# Altium PCB rt10.PcbDoc (part 1 of 3) (continued)
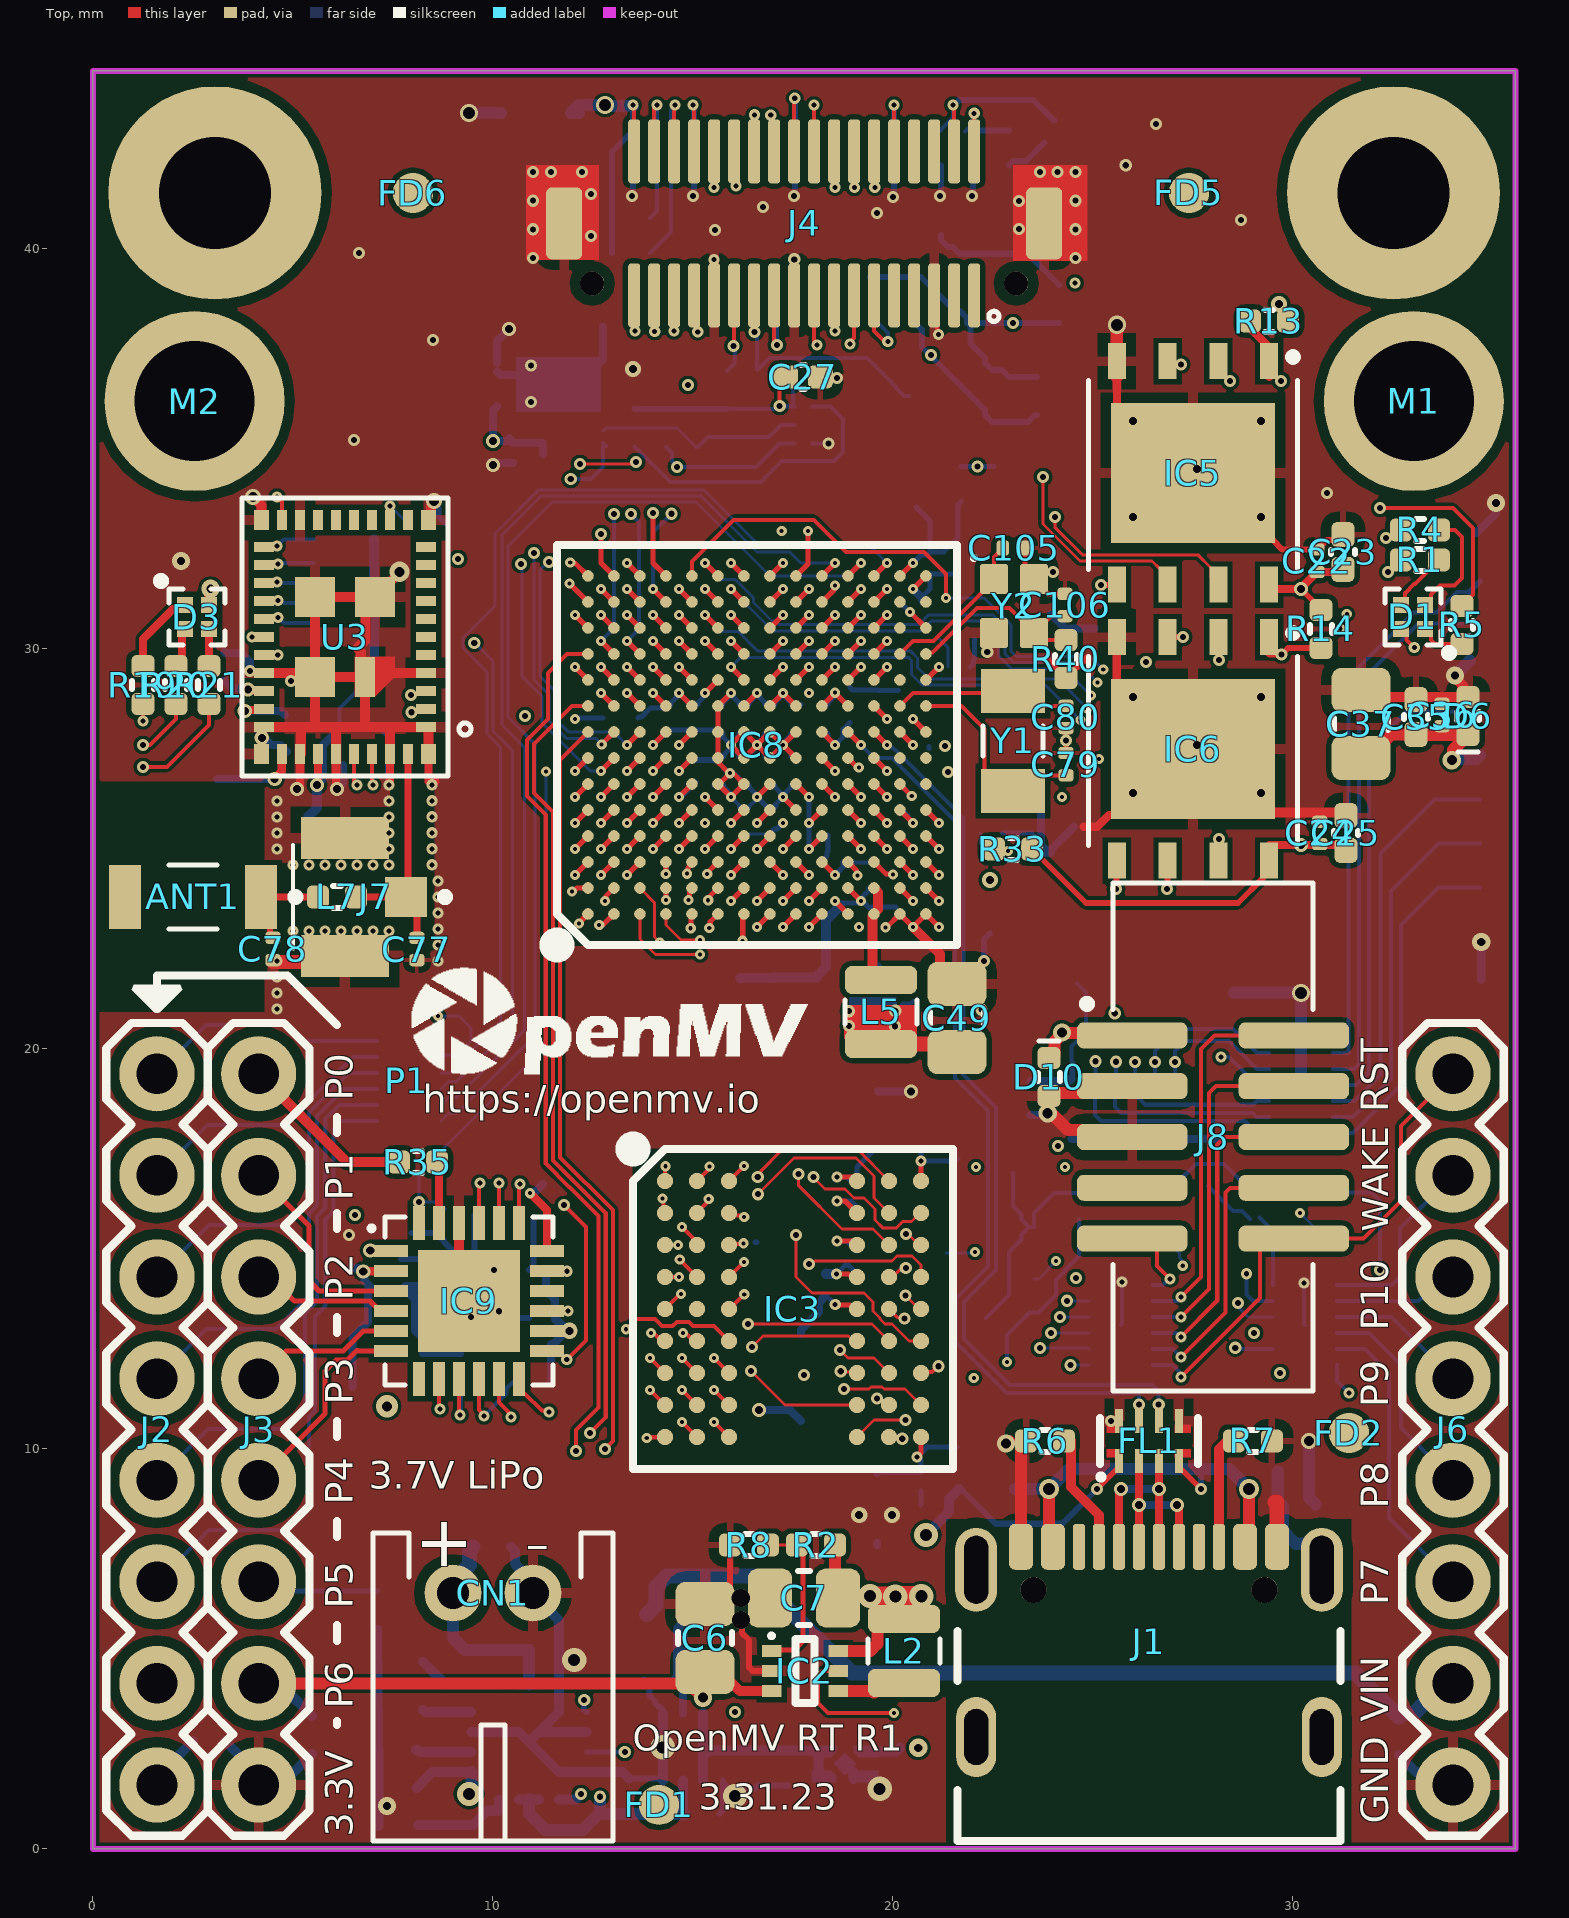
[diagram p0: Top view]
## Components (designator, comment, footprint, x,y, rotation, side; value= is the part's Value field where it differs from the comment) (continued)
C98 "0.22uF" C0201 15.625,28.25 r90 bottom
C99 "0.22uF" C0201 15.534,25.875 r90 bottom
C100 "0.22uF" C0201 17.575,26.95 r270 bottom
C101 "4.7uF" 0402-CAP 20.9,28 r90 bottom
C102 "0.22uF" C0201 20.247,28.071 r270 bottom
C103 "0.22uF" C0201 16.275,28.25 r90 bottom
C104 "4.7uF" 0402-CAP 21.666,30.28 r180 bottom
C105 "4.7pF" C0201 23.025,32.525 r0 top
C106 "4.7pF" C0201 24.3,31.1 r90 top
C107 "0.22uF" C0201 21.65,29.6 r0 bottom
C108 "4.7uF" 0402-CAP 22.525,34.125 r90 bottom
C109 "0.22uF" C0201 20.075,23.275 r270 bottom
C110 "1nF" 0402-CAP 30.129,8.617 r0 bottom
CN1 "S2B-PH-K-S(LF)(SN)" JST-PH-2-THM-RA 10,6.4 r180 top
D1 "UHD1110-FKA-CL1A13R3Q1BBQFMF3" LED_UHD1110-FKA-CL1A13R3Q1BBQFMF3 33,30.8 r180 top
D2 "CPDQT5V0HE-HF" CPDQT5V0HEHF 9.975,7.55 r0 bottom
D3 "UHD1110-FKA-CL1A13R3Q1BBQFMF3" LED_UHD1110-FKA-CL1A13R3Q1BBQFMF3 2.6,30.8 r0 top
D4 "CPDQT5V0HE-HF" CPDQT5V0HEHF 2.875,2.8 r0 bottom
D5 "CPDQT5V0HE-HF" CPDQT5V0HEHF 5.475,2.85 r270 bottom
D6 "CPDQT5V0HE-HF" CPDQT5V0HEHF 34.375,28.325 r90 top
D7 "CPDQT5V0HE-HF" CPDQT5V0HEHF 32.65,2.825 r270 bottom
D8 "CPDQT5V0HE-HF" CPDQT5V0HEHF 7.125,5.975 r270 bottom
D9 "CPDQT5V0HE-HF" CPDQT5V0HEHF 23.425,18.75 r270 bottom
D10 "CPDQT5V0HE-HF" CPDQT5V0HEHF 23.9,19.3 r270 top
FD1 "FIDUCIAL1X2" FIDUCIAL-1X2 14.152,1.102 r0 top
FD2 "FIDUCIAL1X2" FIDUCIAL-1X2 31.4,10.4 r0 top
FD3 "FIDUCIAL1X2" FIDUCIAL-1X2 8,41.4 r180 bottom
FD4 "FIDUCIAL1X2" FIDUCIAL-1X2 31.4,10.4 r180 bottom
FD5 "FIDUCIAL1X2" FIDUCIAL-1X2 27.4,41.4 r0 top
FD6 "FIDUCIAL1X2" FIDUCIAL-1X2 8,41.4 r0 top
FD7 "FIDUCIAL1X2" FIDUCIAL-1X2 27.4,41.4 r180 bottom
FD8 "FIDUCIAL1X2" FIDUCIAL-1X2 13.4,8.4 r180 bottom
FL1 "ECMF02-4CMX8" ECMF024CMX8 26.4,10.2 r0 top
FL2 "EMIF06-1005M12" SON40P150X250X65-13N 7.9,19.2 r180 bottom
FL3 "EMIF06-1005M12" SON40P150X250X65-13N 30.2,18.9 r0 bottom
FL4 "EMIF06-1005M12" SON40P150X250X65-13N 30.3,13.1 r0 bottom
FL5 "EMIF06-1005M12" SON40P150X250X65-13N 25.7,13.1 r0 bottom
IC1 "LM66200DRLR" SOTFL50P160X60-8N 15,2.55 r90 bottom
IC2 "AP61300Z6-7" SOTFL50P162X60-6N 17.8,4.45 r0 top
IC3 "IS42S16160G-6BL" BGA54C80P9X9_800X800X120 17.5,13.5 r0 top
IC4 "ATECC608B-MAHDA-T" SON50P300X200X60-9N 12,36.6 r270 bottom
IC5 "IS25LP064D-JKLE-TR" SON127P500X595X80-9N 27.5,34.4 r270 top
IC6 "IS25LP128F-JKLE-TR" SON127P500X595X80-9N 27.5,27.5 r270 top
IC7 "MXC4005XC" MXC4005XC 17.755,35.6 r180 bottom
IC8 "MIMXRT1052DVL6B" BGA196C65P14X14_1000X1000X143 16.6,27.6 r90 top locked
IC9 "KSZ8081RNDCA-TR" QFN50P400X400X90-25N 9.4,13.7 r0 top
J1 "USB4105-GF-A" GCT_USB4105-GF-A 26.4,2.8 r0 top
J2 "DNP" 1X08 1.6,1.6 r90 top
J3 "DNP" 1X08 4.14,1.6 r90 top
J4 "DF12-36-DS" DF12-36-DS 17.78,40.64 r0 top
J5 "USD-1040310811" 1040310811 29.363,27.155 r270 bottom locked
J6 "DNP" 1X08 34,1.6 r90 top
J7 "DNP" 23370191-NO-3D 6.3,23.8 r90 top
J8 "3221-10-0300-00" CNC_3221-10-0300-00 28,17.8 r270 top
L1 "MFBM1V1608-101-R" 0603-RES 22.4,9 r180 bottom
L2 "MAKK2016T1R0M" INDC2016X100N 20.275,4.95 r90 top
L4 "100" C0402 22.9,42.525 r90 bottom
L5 "MAKK2016T4R7M" INDC2016X100N 19.7,20.925 r90 top
L6 "100" C0402 21.7,34.125 r90 bottom
L7 "3.9NH" 0402 6.1,23.8 r0 top
L8 "100" C0402 7.076,11.551 r0 bottom
L9 "MAKK2016T2R2M" INDC2016X100N 2.825,27.5 r90 bottom
M1 "9774030243R" 9774030243R 33.02,36.195 r0 top
M2 "9774030243R" 9774030243R 2.54,36.195 r0 top
P1 "OpenMV Logo" OMV-LOGO-SMALL 7.85,19.2 r0 top
P2 "OpenMV Logo" OMV-LOGO-SMALL 18.15,30.125 r180 bottom
P3 "RoHS Logo" ROHS 19.4,3.325 r180 bottom
P4 "WEEE Logo" WEEE 28.05,7.2 r180 bottom
Q1 "2N7002KW_R1_00001" SOT65P210X110-3N 25.75,15.75 r180 bottom
Q2 "2N7002KW_R1_00001" SOT65P210X110-3N 30.025,15.75 r180 bottom
Q3 "2N7002KW_R1_00001" SOT65P210X110-3N 22.425,14.9 r180 bottom
Q4 "2N7002KW_R1_00001" SOT65P210X110-3N 21.2,39.25 r90 bottom
Q5 "2N7002KW_R1_00001" SOT65P210X110-3N 21.5,36.325 r180 bottom
Q6 "PMXB120EPEZ" PMXB120EPEZ 14.266,5.862 r90 bottom
R1 "1K" 0402-RES 33.175,32.225 r0 top
R2 "200K" 0402-RES 18.075,7.6 r0 top
R3 "100K" 0402-RES 22.8,13.275 r180 bottom
R4 "1K" 0402-RES 33.175,32.975 r0 top
R5 "1K" 0402-RES 34.225,30.6 r270 top
R6 "5.1K" 0402-RES 23.8,10.2 r180 top
R7 "5.1K" 0402-RES 29,10.2 r0 top
R8 "44.2K" 0402-RES 16.4,7.6 r0 top
R9 "10K" 0402-RES 7.6,4.675 r180 bottom
R10 "3.3K" 0402-RES 7.65,0.6 r180 bottom
R11 "46.4K" 0402-RES 7.6,2.475 r180 bottom
R12 "8.2K" 0402-RES 7.6,3.475 r180 bottom
R13 "100K" 0402-RES 29.4,38.2 r180 top
R14 "100K" 0402-RES 30.7,30.5 r270 top
R15 "2.7K" 0402-RES 13.54,35.54 r90 bottom
R16 "2.7K" 0402-RES 15.075,35.525 r90 bottom
R17 "2.7K" 0402-RES 14.325,35.525 r90 bottom
R18 "100K" 0402-RES 21.5,11.45 r90 bottom
R19 "220" 0402-RES 1.25,29.1 r90 top
R20 "220" 0402-RES 2.075,29.1 r90 top
R21 "220" 0402-RES 2.9,29.1 r90 top
R22 "100K" 0402-RES 28.35,16.575 r0 bottom
R23 "100K" 0402-RES 23.475,16.9 r180 bottom
R24 "100K" 0402-RES 19.425,38.825 r90 bottom
R25 "100K" 0402-RES 23.6,36.325 r90 bottom
R26 "1K" 0402-RES 24.15,38.625 r270 bottom
R27 "100K" 0402-RES 17.125,38.75 r90 bottom
R28 "100K" 0402-RES 16.625,36.475 r270 bottom
R29 "100K" 0402-RES 15.85,36.475 r270 bottom
R30 "4.7K" 0402-RES 13.45,39.9 r180 bottom
R31 "4.7K" 0402-RES 13.45,40.775 r180 bottom
R32 "30K" 0201-RES 19.525,24.35 r270 bottom
R33 "10K" 0402-RES 23,25 r180 top
R34 "100K" 0402-RES 7.3,16.175 r180 bottom
R35 "220" 0402-RES 8.125,17.175 r180 top
R36 "1K" 0402-RES 11.25,16.15 r270 bottom
R37 "10K" 0402-RES 8.325,33.15 r0 bottom
R38 "6.49K" 0402-RES 9.412,11.888 r90 bottom
R39 "1K" 0402-RES 10.975,11.675 r0 bottom
R40 "2.2M" 0402-RES 24.325,29.75 r270 top
R41 "1Meg" 0402-RES 30.092,9.433 r0 bottom
RN1 "EXB-2HV104JV" EXB2HV104JV 26.3,18.5 r180 bottom
RN2 "EXB-2HV104JV" EXB2HV104JV 6.275,30.9 r270 bottom
U1 "MIC5365-3.3YMT-TZ" VREG_MIC5365-3.3YMT-TZ 18.8,2.125 r180 bottom
U2 "BQ24075RGTR" QFN50P300X300X100-17N 10.9,2.675 r270 bottom
U3 "LBEE5KL1DX-883" XCVR_LBEE5KL1DX-TEMP 6.3,30.3 r180 top
Y1 "SC32S-7PF20PPM" XTAL_ABS07-32.768KHZ-7-T 23,27.7 r90 top
Y2 "XRCGB24M000F3M00R0" XRCGB24M000F3M00R0 23.025,31.075 r270 top

## Footprints (in the part's own frame and the unit in brackets; to place one, negate y for a bottom-side part, rotate by r counter-clockwise, add the part's x,y. Pads: shape width x height; smd on the part's side, far side on the other; paste and mask are expansions set on the pad)
1X08 [mil] "1X08"
  round 74 hole 40: 1(0,0) 2(100,0) 3(200,0) 4(300,0) 5(400,0) 6(500,0) 7(600,0) 8(700,0)
  silkscreen extent -50,-50 750,50
0201-RES [mil] "0201 IPC-7351"
  rrect50% 12x15 smd mask+1.97: 1(-10,0) 2(10,0)
  body extent -12,-6 12,6, height 9
0402 [mm] "Chip Resistor, 2-Leads, Body  0402 (in) 1005 (mm), IPC Medium Density"
  rrect51% 0.55x0.58 smd mask+0.05: 1(-0.475,0) 2(0.475,0)
  silkscreen extent -0.1,-0.28 0.1,0.28, body extent -0.5,-0.25 0.5,0.25, height 0.34
0402-CAP [mm] "Chip Capacitor, 2-Leads, Body  0402 (in) 1005 (mm), IPC Medium Density"
  rrect52% 0.63x0.58 smd mask+0.05: 1(-0.435,0) 2(0.435,0)
  silkscreen extent -0.05,-0.3 0.05,0.3, body extent -0.5,-0.25 0.5,0.25, height 0.5
0402-RES [mm] "Chip Resistor, 2-Leads, Body  0402 (in) 1005 (mm), IPC Medium Density"
  rrect51% 0.55x0.58 smd mask+0.05: 1(-0.475,0) 2(0.475,0)
  silkscreen extent -0.1,-0.28 0.1,0.28, body extent -0.5,-0.25 0.5,0.25, height 0.34
0603-RES [mm]
  rrect51% 0.87x0.97 smd mask+0.05: 1(-0.8,0) 2(0.75,0)
  silkscreen extent -0.2,-0.5 0.15,0.5, body extent -0.8,-0.4 0.8,0.4, height 0.45
0805 [mm] "Chip Capacitor, Body 0805 imperial, 2.0x1.2mm, IPC Medium Density"
  rrect45% 1.11x1.47 smd: 1(-0.85,0) 2(0.85,0)
  silkscreen extent -0.15,-0.67 0.15,0.67, body extent -1,-0.62 1,0.63, height 1.25
23370191-NO-3D [mm] "23370191"
  rect 1x1.05 smd: 1(0,-1.525)
  rect 1.05x2.2 smd: 2(-1.475,0) 3(1.475,0)
  silkscreen extent -1.3,-2.6 1.3,1.3
1040310811 [mm] "1040310811"
  rect 1.2x1 smd: CD$1(5.747,4.438) CD$2(5.747,0.738)
  rect 0.85x1.1 smd: P$1(3.112,-5.412) P$2(2.013,-5.412) P$3(0.912,-5.412) P$4(-0.188,-5.412) P$5(-1.287,-5.412) P$6(-2.387,-5.412) P$7(-3.488,-5.412)
  rect 0.75x1.1 smd: P$8(-4.538,-5.412)
  rect 1.17x1.8 smd: SH(-5.747,-5.062)
  rect 1.9x1.35 smd: SH(-3.722,5.412) SH(2.248,5.412)
  rect 1.55x1.35 smd: SH(5.573,-5.288)
  silkscreen extent -5.99,-4.44 6.03,5.74, body extent -5.94,-5.66 6.01,5.74, height 1.46
9774030243R [mm] "Round Standoff Threaded M2x0.4 Steel 0.118\" (3.00mm)"
  round 4.5 hole 3 mask+0.05: 1(0,0)
  body extent -2.17,-2.17 2.18,2.17, height 3.01
ANTC3216X140N [mm] "ANTC3216X140N"
  rect 0.8x1.6 smd: 1(-1.7,0) 2(1.7,0)
  silkscreen extent -2.66,-0.8 0.6,0.8, body extent -1.6,-0.8 1.6,0.8, height 1.2
BGA54C80P9X9_800X800X120 [mil] "BGA54C80P9X9_800X800X120"
  rrect100% 16.14x16.14 smd: A1(-125.98,125.98) A2(-94.49,125.98) A3(-62.99,125.98) A7(62.99,125.98) A8(94.49,125.98) A9(125.98,125.98) B1(-125.98,94.49) B2(-94.49,94.49) B3(-62.99,94.49) B7(62.99,94.49) B8(94.49,94.49) B9(125.98,94.49) C1(-125.98,62.99) C2(-94.49,62.99) C3(-62.99,62.99) C7(62.99,62.99) C8(94.49,62.99) C9(125.98,62.99) D1(-125.98,31.5) D2(-94.49,31.5) D3(-62.99,31.5) D7(62.99,31.5) D8(94.49,31.5) D9(125.98,31.5) E1(-125.98,0) E2(-94.49,0) E3(-62.99,0) E7(62.99,0) E8(94.49,0) E9(125.98,0) F1(-125.98,-31.5) F2(-94.49,-31.5) F3(-62.99,-31.5) F7(62.99,-31.5) F8(94.49,-31.5) F9(125.98,-31.5) G1(-125.98,-62.99) G2(-94.49,-62.99) G3(-62.99,-62.99) G7(62.99,-62.99) G8(94.49,-62.99) G9(125.98,-62.99) H1(-125.98,-94.49) H2(-94.49,-94.49) H3(-62.99,-94.49) H7(62.99,-94.49) H8(94.49,-94.49) H9(125.98,-94.49) J1(-125.98,-125.98) J2(-94.49,-125.98) J3(-62.99,-125.98) J7(62.99,-125.98) J8(94.49,-125.98) J9(125.98,-125.98)
  silkscreen extent -165,-157 157,165, body extent -157,-157 157,157, height 47
BGA196C65P14X14_1000X1000X143 [mm] "BGA196C65P14X14_1000X1000X143"
  rrect100% 0.29x0.29 smd: A1(-4.225,4.225) A2(-3.575,4.225) A3(-2.925,4.225) A4(-2.275,4.225) A5(-1.625,4.225) A6(-0.975,4.225) A7(-0.325,4.225) A8(0.325,4.225) A9(0.975,4.225) A10(1.625,4.225) A11(2.275,4.225) A12(2.925,4.225) A13(3.575,4.225) A14(4.225,4.225) B1(-4.225,3.575) B2(-3.575,3.575) B3(-2.925,3.575) B4(-2.275,3.575) B5(-1.625,3.575) B6(-0.975,3.575) B7(-0.325,3.575) B8(0.325,3.575) B9(0.975,3.575) B10(1.625,3.575) B11(2.275,3.575) B12(2.925,3.575) B13(3.575,3.575) B14(4.225,3.575) C1(-4.225,2.925) C2(-3.575,2.925) C3(-2.925,2.925) C4(-2.275,2.925) C5(-1.625,2.925) C6(-0.975,2.925) C7(-0.325,2.925) C8(0.325,2.925) C9(0.975,2.925) C10(1.625,2.925) C11(2.275,2.925) C12(2.925,2.925) C13(3.575,2.925) C14(4.225,2.925) D1(-4.225,2.275) D2(-3.575,2.275) D3(-2.925,2.275) D4(-2.275,2.275) D5(-1.625,2.275) D6(-0.975,2.275) D7(-0.325,2.275) D8(0.325,2.275) D9(0.975,2.275) D10(1.625,2.275) D11(2.275,2.275) D12(2.925,2.275) D13(3.575,2.275) D14(4.225,2.275) E1(-4.225,1.625) E2(-3.575,1.625) E3(-2.925,1.625) E4(-2.275,1.625) E5(-1.625,1.625) E6(-0.975,1.625) E7(-0.325,1.625) E8(0.325,1.625) E9(0.975,1.625) E10(1.625,1.625) E11(2.275,1.625) E12(2.925,1.625) E13(3.575,1.625) E14(4.225,1.625) F1(-4.225,0.975) F2(-3.575,0.975) F3(-2.925,0.975) F4(-2.275,0.975) F5(-1.625,0.975) F6(-0.975,0.975) F7(-0.325,0.975) F8(0.325,0.975) F9(0.975,0.975) F10(1.625,0.975) F11(2.275,0.975) F12(2.925,0.975) F13(3.575,0.975) F14(4.225,0.975) G1(-4.225,0.325) G2(-3.575,0.325) G3(-2.925,0.325) G4(-2.275,0.325) G5(-1.625,0.325) G6(-0.975,0.325) G7(-0.325,0.325) G8(0.325,0.325) G9(0.975,0.325) G10(1.625,0.325) G11(2.275,0.325) G12(2.925,0.325) G13(3.575,0.325) G14(4.225,0.325) H1(-4.225,-0.325) H2(-3.575,-0.325) H3(-2.925,-0.325) H4(-2.275,-0.325) H5(-1.625,-0.325) H6(-0.975,-0.325) H7(-0.325,-0.325) H8(0.325,-0.325) H9(0.975,-0.325) H10(1.625,-0.325) H11(2.275,-0.325) H12(2.925,-0.325) H13(3.575,-0.325) H14(4.225,-0.325) J1(-4.225,-0.975) J2(-3.575,-0.975) J3(-2.925,-0.975) J4(-2.275,-0.975) J5(-1.625,-0.975) J6(-0.975,-0.975) J7(-0.325,-0.975) J8(0.325,-0.975) J9(0.975,-0.975) J10(1.625,-0.975) J11(2.275,-0.975) J12(2.925,-0.975) J13(3.575,-0.975) J14(4.225,-0.975) K1(-4.225,-1.625) K2(-3.575,-1.625) K3(-2.925,-1.625) K4(-2.275,-1.625) K5(-1.625,-1.625) K6(-0.975,-1.625) K7(-0.325,-1.625) K8(0.325,-1.625) K9(0.975,-1.625) K10(1.625,-1.625) K11(2.275,-1.625) K12(2.925,-1.625) K13(3.575,-1.625) K14(4.225,-1.625) L1(-4.225,-2.275) L2(-3.575,-2.275) L3(-2.925,-2.275) L4(-2.275,-2.275) L5(-1.625,-2.275) L6(-0.975,-2.275) L7(-0.325,-2.275) L8(0.325,-2.275) L9(0.975,-2.275) L10(1.625,-2.275) L11(2.275,-2.275) L12(2.925,-2.275) L13(3.575,-2.275) L14(4.225,-2.275) M1(-4.225,-2.925) M2(-3.575,-2.925) M3(-2.925,-2.925) M4(-2.275,-2.925) M5(-1.625,-2.925) M6(-0.975,-2.925) M7(-0.325,-2.925) M8(0.325,-2.925) M9(0.975,-2.925) M10(1.625,-2.925) M11(2.275,-2.925) M12(2.925,-2.925) M13(3.575,-2.925) M14(4.225,-2.925) N1(-4.225,-3.575) N2(-3.575,-3.575) N3(-2.925,-3.575) N4(-2.275,-3.575) N5(-1.625,-3.575) N6(-0.975,-3.575) N7(-0.325,-3.575) N8(0.325,-3.575) N9(0.975,-3.575) N10(1.625,-3.575) N11(2.275,-3.575) N12(2.925,-3.575) N13(3.575,-3.575) N14(4.225,-3.575) P1(-4.225,-4.225) P2(-3.575,-4.225) P3(-2.925,-4.225) P4(-2.275,-4.225) P5(-1.625,-4.225) P6(-0.975,-4.225) P7(-0.325,-4.225) P8(0.325,-4.225) P9(0.975,-4.225) P10(1.625,-4.225) P11(2.275,-4.225) P12(2.925,-4.225) P13(3.575,-4.225) P14(4.225,-4.225)
  silkscreen extent -5.19,-5 5,5.19, body extent -5,-5 5,5, height 1.5
C0201 [mil] "0201 IPC-7351"
  rrect50% 12x15 smd mask+1.97: 1(-11,0) 2(11,0)
  body extent -12,-6 12,6, height 14
C0201-NO-3D [mil] "0201 IPC-7351"
  rrect50% 12x15 smd mask+1.97: 1(-11,0) 2(11,0)
C0402 [mm] "Chip Capacitor, 2-Leads, Body  0402 (in) 1005 (mm), IPC Medium Density"
  rrect52% 0.63x0.58 smd mask+0.05: 1(-0.435,0) 2(0.435,0)
  silkscreen extent -0.05,-0.3 0.05,0.3, body extent -0.5,-0.25 0.5,0.25, height 0.5
CAPC0603X33N [mil] "CAPC0603X33N"
  rrect50% 12x15 smd mask+1.97: 1(-10.97,-0.04) 2(11.03,-0.04)
  body extent -12,-6 12,6, height 14
CNC_3221-10-0300-00 [mm] "CNC_3221-10-0300-00"
  rrect50% 0.65x2.76 smd: 1(-2.54,-2.02) 2(-2.54,2.02) 3(-1.27,-2.02) 4(-1.27,2.02) 5(0,-2.02) 6(0,2.02) 7(1.27,-2.02) 8(1.27,2.02) 9(2.54,-2.02) 10(2.54,2.02)
  silkscreen extent -6.35,-3.25 6.35,2.5, body extent -6.35,-2.8 6.35,2.8, height 5.21
CPDQT5V0HEHF [mm] "CPDQT5V0HEHF"
  rrect51% 0.55x0.58 smd mask+0.05: 1(-0.475,0) 2(0.475,0)
  silkscreen extent -0.9,-0.27 0.1,0.28, body extent -0.5,-0.25 0.5,0.25, height 0.34
DF12-36-DS [mm] "DF12-36-DS"
  rrect50% 0.3x1.6 smd paste+0: 1(4.25,-1.8) 2(4.25,1.8) 3(3.75,-1.8) 4(3.75,1.8) 5(3.25,-1.8) 6(3.25,1.8) 7(2.75,-1.8) 8(2.75,1.8) 9(2.25,-1.8) 10(2.25,1.8) 11(1.75,-1.8) 12(1.75,1.8) 13(1.25,-1.8) 14(1.25,1.8) 15(0.75,-1.8) 16(0.75,1.8) 17(0.25,-1.8) 18(0.25,1.8) 19(-0.25,-1.8) 20(-0.25,1.8) 21(-0.75,-1.8) 22(-0.75,1.8) 23(-1.25,-1.8) 24(-1.25,1.8) 25(-1.75,-1.8) 26(-1.75,1.8) 27(-2.25,-1.8) 28(-2.25,1.8) 29(-2.75,-1.8) 30(-2.75,1.8) 31(-3.25,-1.8) 32(-3.25,1.8) 33(-3.75,-1.8) 34(-3.75,1.8) 35(-4.25,-1.8) 36(-4.25,1.8)
  rrect30% 0.9x1.8 smd: M(-6,0) M(6,0)
  round 0.6 hole 0.6 unplated: MH1(5.3,-1.5) MH2(-5.3,-1.5)
  silkscreen extent 4.62,-2.45 4.87,-2.2, body extent -6.05,-2.3 6.05,2.3, height 2.7
ECMF024CMX8 [mm] "ECMF024CMX8"
  rect 0.2x0.6 smd: 1(-0.75,-0.5) 2(-0.25,-0.5) 3(0.25,-0.5) 4(0.75,-0.5) 5(0.75,0.5) 6(0.25,0.5) 7(-0.25,0.5) 8(-0.75,0.5)
  Top region: 0.65,0.2 0.65,0.4 1.05,0.4 1.05,0.2
  Top region: 0.65,-0.2 0.65,-0.4 1.05,-0.4 1.05,-0.2
  Top region: -0.65,-0.2 -0.65,-0.4 -1.05,-0.4 -1.05,-0.2
  Top region: -0.65,0.2 -0.65,0.4 -1.05,0.4 -1.05,0.2
  silkscreen extent -1.26,-0.96 1.23,0.58, body extent -1.25,-0.6 1.25,0.6, height 0.5
EXB2HV104JV [mm] "EXB2HV104JV"
  rect 0.425x0.5 smd: 1(-1.837,-0.75) 8(1.837,-0.75) 9(1.837,0.75) 16(-1.837,0.75)
  rect 0.25x0.5 smd: 2(-1.25,-0.75) 3(-0.75,-0.75) 4(-0.25,-0.75) 5(0.25,-0.75) 6(0.75,-0.75) 7(1.25,-0.75) 10(1.25,0.75) 11(0.75,0.75) 12(0.25,0.75) 13(-0.25,0.75) 14(-0.75,0.75) 15(-1.25,0.75)
  silkscreen extent -2.5,-0.85 1.9,0.3, body extent -1.9,-0.9 1.9,0.9, height 0.7
FIDUCIAL-1X2 [mm] "FIDUCIAL-1X2"
  rrect100% 1x1 smd paste+0: 1(0,0)
GCT_USB4105-GF-A [mm] "GCT_USB4105-GF-A"
  round 0.65 hole 0.65 unplated: 0(-2.89,3.68) 0(2.89,3.68)
  rrect50% 0.6x1.15 smd mask+0: A1_B12(-3.2,4.755) A4_B9(-2.4,4.755) B1_A12(3.2,4.755) B4_A9(2.4,4.755)
  rrect50% 0.3x1.15 smd mask+0: A5(-1.25,4.755) A6(-0.25,4.755) A7(0.25,4.755) A8(1.25,4.755) B5(1.75,4.755) B6(0.75,4.755) B7(-0.75,4.755) B8(-1.75,4.755)
  oval 1x2 hole 0.6 slot 1.4 at 90 deg: SH(-4.32,0) SH(4.32,0)
  oval 1.05x2.1 hole 0.6 slot 1.7 at 90 deg: SH(-4.32,4.18) SH(4.32,4.18)
  silkscreen extent -4.79,-2.6 4.79,2.65, body extent -4.79,-2.6 4.79,5.11, height 3.31
INDC2016X100N [mm] "INDC2016X100N"
  rrect50% 0.7x1.8 smd: 1(-0.8,0) 2(0.8,0)
  silkscreen extent -0.3,-0.9 0.3,0.9, body extent -1,-0.8 1,0.8, height 1
JST-PH-2-THM-RA [mil] "JST-PH-2-THM-RA"
  round 56 hole 31.5: 1(39.37,0) 2(-39.37,0)
  silkscreen extent -118,-59 118,244, body extent -118,-59 118,244, height 195
LED_UHD1110-FKA-CL1A13R3Q1BBQFMF3 [mm] "LED_UHD1110-FKA-CL1A13R3Q1BBQFMF3"
  rect 0.4x0.4 smd: 1(-0.3,0.3) 2(-0.3,-0.3) 3(0.3,-0.3) 4(0.3,0.3)
  silkscreen extent -1,-0.7 0.7,1, body extent -0.5,-0.5 0.5,0.5, height 0.62
MXC4005XC [mm] "MXC4005XC"
  rect 0.25x0.3 smd: 1(-0.22,0.46) 2(-0.22,0) 3(-0.22,-0.46) 4(0.22,-0.46) 5(0.22,0) 6(0.22,0.46)
  silkscreen extent -0.77,-0.85 0.59,1.07, body extent -0.6,-0.8 0.6,0.8, height 0.62
OMV-LOGO-SMALL [mm] "OMV-LOGO-SMALL"
  silkscreen extent 0.11,0.17 10.02,2.83
PMXB120EPEZ [mm]
  rect 0.3x0.3 smd mask+0.05: D(0,-0.425)
  rect 0.9x0.2 smd mask+0.05: D(0,0)
  rect 0.25x0.3 smd mask+0.05: G(0.375,0.425) S(-0.375,0.425)
  body extent -0.55,-0.5 0.55,0.5, height 0.4
QFN50P300X300X100-17N [mil] "QFN50P300X300X100-17N"
  rrect25% 33.86x10.24 smd: 1(-56.5,29.53) 2(-56.5,9.84) 3(-56.5,-9.84) 4(-56.5,-29.53) 9(56.5,-29.53) 10(56.5,-9.84) 11(56.5,9.84) 12(56.5,29.53)
  rrect25% 10.24x33.86 smd: 5(-29.53,-56.5) 6(-9.84,-56.5) 7(9.84,-56.5) 8(29.53,-56.5) 13(29.53,56.5) 14(9.84,56.5) 15(-9.84,56.5) 16(-29.53,56.5)
  rect 66.14x66.14 smd paste+0: 17(0,0)
  silkscreen extent -75,-59 59,63, body extent -59,-59 59,59, height 39
QFN50P400X400X90-25N [mm] "QFN50P400X400X90-25N"
  rect 0.85x0.3 smd: 1(-1.95,1.25) 2(-1.95,0.75) 3(-1.95,0.25) 4(-1.95,-0.25) 5(-1.95,-0.75) 6(-1.95,-1.25) 13(1.95,-1.25) 14(1.95,-0.75) 15(1.95,-0.25) 16(1.95,0.25) 17(1.95,0.75) 18(1.95,1.25)
  rect 0.3x0.85 smd: 7(-1.25,-1.95) 8(-0.75,-1.95) 9(-0.25,-1.95) 10(0.25,-1.95) 11(0.75,-1.95) 12(1.25,-1.95) 19(1.25,1.95) 20(0.75,1.95) 21(0.25,1.95) 22(-0.25,1.95) 23(-0.75,1.95) 24(-1.25,1.95)
  rect 2.55x2.55 smd: 25(0,0)
  silkscreen extent -2.5,-2.1 2.1,2.1, body extent -2,-2 2,2, height 1
ROHS [mm] "ROHS"
  silkscreen extent -0.01,-0.01 4.03,4.05
SON40P150X250X65-13N [mil] "SON40P150X250X65-13N"
  rect 27.56x7.87 smd: 1(-31.5,39.37) 2(-31.5,23.62) 3(-31.5,7.87) 4(-31.5,-7.87) 5(-31.5,-23.62) 6(-31.5,-39.37) 7(31.5,-39.37) 8(31.5,-23.62) 9(31.5,-7.87) 10(31.5,7.87) 11(31.5,23.62) 12(31.5,39.37)
  rect 19.69x74.8 smd: 13(0,0)
  silkscreen extent -41,-55 28,55, body extent -30,-49 30,49, height 24
SON50P300X200X60-9N [mm] "SON50P300X200X60-9N"
  rect 0.85x0.3 smd: 1(-1.45,0.75) 2(-1.45,0.25) 3(-1.45,-0.25) 4(-1.45,-0.75) 5(1.45,-0.75) 6(1.45,-0.25) 7(1.45,0.25) 8(1.45,0.75)
  rect 1.4x1.6 smd: 9(0,0)
  silkscreen extent -1.73,-1.1 1.2,1.2, body extent -1.5,-1 1.5,1, height 0.6
SON127P500X595X80-9N [mil] "SON127P500X595X80-9N"
  rect 35.43x17.72 smd: 1(-110,75) 2(-110,25) 3(-110,-25) 4(-110,-75) 5(110,-75) 6(110,-25) 7(110,25) 8(110,75)
  rect 137.8x161.42 smd: 9(0,0)
  silkscreen extent -117,-103 95,103, body extent -118,-98 118,98, height 39
SOT65P210X110-3N [mm] "SOT65P210X110-3N"
  rect 0.75x0.5 smd: 1(-1.1,0.65) 2(-1.1,-0.65) 3(1.1,0)
  silkscreen extent -1.47,-1 0.37,1.15, body extent -1.2,-1.1 1.2,1.1, height 1.1
SOTFL50P160X60-8N [mm] "SOTFL50P160X60-8N"
  rect 0.475x0.3 smd: 1(-0.838,0.75) 2(-0.838,0.25) 3(-0.838,-0.25) 4(-0.838,-0.75) 5(0.838,-0.75) 6(0.838,-0.25) 7(0.838,0.25) 8(0.838,0.75)
  silkscreen extent -0.88,-1.05 0.25,1.17, body extent -0.6,-1.1 0.6,1.1, height 0.6
SOTFL50P162X60-6N [mm] "SOTFL50P162X60-6N"
  rect 0.492x0.3 smd: 1(-0.834,0.5) 2(-0.834,0) 3(-0.834,-0.5) 4(0.834,-0.5) 5(0.834,0) 6(0.834,0.5)
  silkscreen extent -0.88,-0.8 0.24,0.92, body extent -0.6,-0.8 0.6,0.8, height 0.6
VREG_MIC5365-3.3YMT-TZ [mil] "VREG_MIC5365-3.3YMT-TZ"
  rect 3.94x3.94 smd paste+0 mask+0: 1(-20.5,12.3) 2(-20.5,-12.3) 3(20.5,-12.3) 4(20.5,12.3) EP(0,0)
  Top region: -11,0 0,-11 11,0 0,11 -11,0
  Top region: -32.5,-17.8 -32.5,-6.8 -13.5,-6.8 -8.5,-11.8 -8.5,-17.8 -32.5,-17.8
  Top region: 32.5,-17.8 32.5,-6.8 13.5,-6.8 8.5,-11.8 8.5,-17.8 32.5,-17.8
  Top region: 32.5,17.8 32.5,6.8 13.5,6.8 8.5,11.8 8.5,17.8 32.5,17.8
  Top region: -32.5,17.8 -32.5,6.8 -13.5,6.8 -8.5,11.8 -8.5,17.8 -32.5,17.8
  silkscreen extent -32,24 -24,32, body extent -20,-20 20,20, height 22
WEEE [mm] "WEEE"
  silkscreen extent -0.01,-0.01 3.8,3.77
XCVR_LBEE5KL1DX-TEMP [mm] "XCVR_LBEE5KL1DX-TEMP"
  rect 0.5x0.25 smd: 1(-2.025,2.25) 2(-2.025,1.8) 3(-2.025,1.35) 4(-2.025,0.9) 5(-2.025,0.45) 6(-2.025,0) 7(-2.025,-0.45) 8(-2.025,-0.9) 9(-2.025,-1.35) 10(-2.025,-1.8) 11(-2.025,-2.25) 22(2.025,-2.25) 23(2.025,-1.8) 24(2.025,-1.35) 25(2.025,-0.9) 26(2.025,-0.45) 27(2.025,0) 28(2.025,0.45) 29(2.025,0.9) 30(2.025,1.35) 31(2.025,1.8) 32(2.025,2.25)
  rect 0.375x0.5 smd: 12(-2.088,-2.925) 21(2.088,-2.925) 33(2.088,2.925) 42(-2.088,2.925)
  rect 0.25x0.5 smd: 13(-1.575,-2.925) 14(-1.125,-2.925) 15(-0.675,-2.925) 16(-0.225,-2.925) 17(0.225,-2.925) 18(0.675,-2.925) 19(1.125,-2.925) 20(1.575,-2.925) 34(1.575,2.925) 35(1.125,2.925) 36(0.675,2.925) 37(0.225,2.925) 38(-0.225,2.925) 39(-0.675,2.925) 40(-1.125,2.925) 41(-1.575,2.925)
  rect 0.5x1 smd paste+0 mask+0: 43(-0.5,1)
  rect 1x1 smd: 44(-0.75,-1) 45(0.75,1) 46(0.75,-1)
  Top region: -0.75,1.5 -0.25,1.5 -0.25,0.5 -1.25,0.5 -1.25,1 -0.75,1.5
  silkscreen extent -3.15,-3.47 2.58,3.47, body extent -2.5,-3.5 2.5,3.5, height 1.1
XRCGB24M000F3M00R0 [mm] "XRCGB24M000F3M00R0"
  rrect20% 0.75x0.7 smd mask+0.05: 1(-0.675,-0.5) 2(0.675,-0.5) 3(0.675,0.5) 4(-0.675,0.5)
  silkscreen extent -1.24,-1.04 -1.16,-0.96, body extent -1,-0.8 1,0.8, height 0.65
XTAL_ABS07-32.768KHZ-7-T [mm] "XTAL_ABS07-32.768KHZ-7-T"
  rect 1.1x1.6 smd: 1(-1.25,0) 2(1.25,0)
  silkscreen extent -0.38,-0.75 0.38,0.75, body extent -1.6,-0.7 1.6,0.7, height 1